# Altium PCB NIXIEClock_PCB_V3.2.PcbDoc (part 2 of 3)
Units mil, origin at the board's own origin, x right, y up, seen from the top; angles counter-clockwise.
Board outline 9842.52 x 2952.76 mil, 2 copper layers (Top Layer, Bottom Layer); 233 components, 344 nets, 1063 pads, 410 vias.
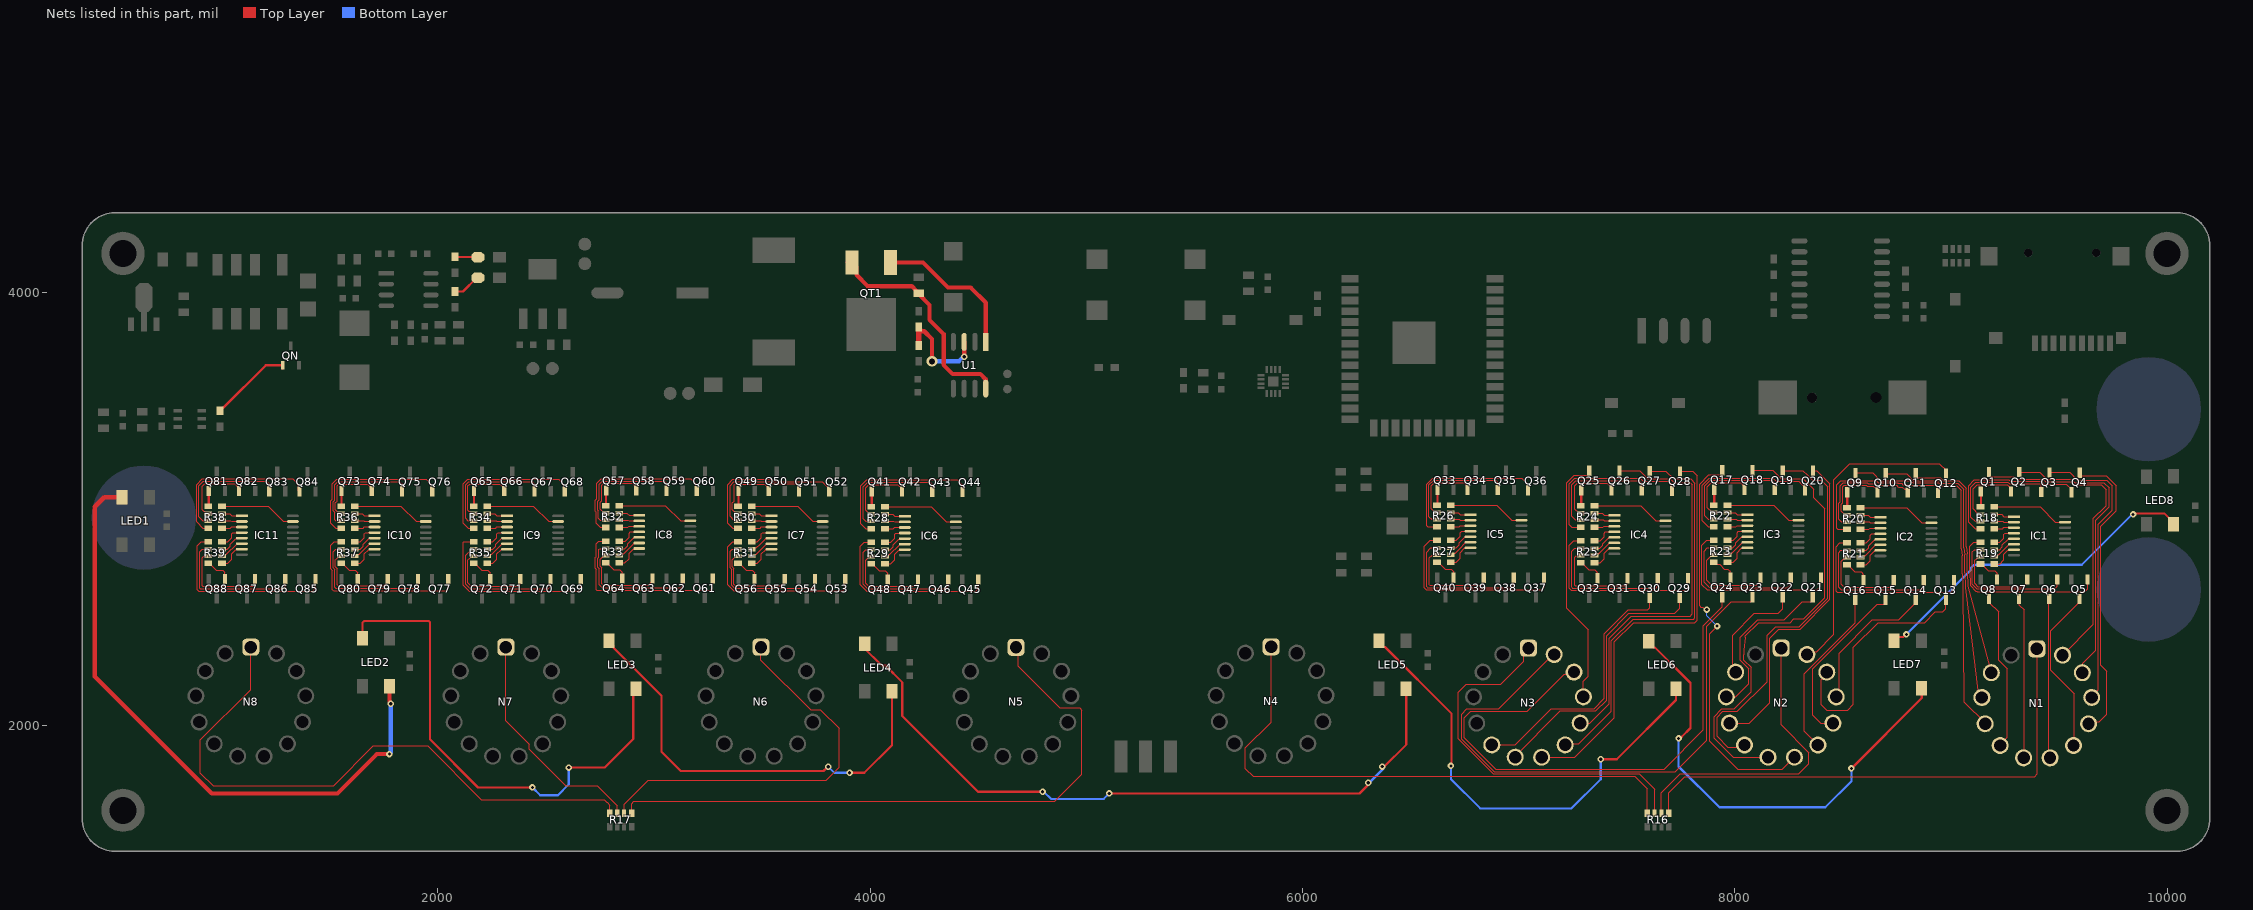
[diagram p2: the nets of this part, all layers, seen from the top]

## Via types
v1: diameter 30, hole 15, Top Layer to Bottom Layer, tented both sides, 238 vias
v2: diameter 19.68, hole 11.81, Top Layer to Bottom Layer, tented both sides, 157 vias
v3: diameter 50, hole 28, Top Layer to Bottom Layer, tented both sides, 10 vias
v4: diameter 30, hole 15, Top Layer to Bottom Layer, 3 vias
v5: diameter 70.87, hole 70.87, Top Layer to Bottom Layer, tented both sides, 1 vias
v6: diameter 62.99, hole 62.99, Top Layer to Bottom Layer, tented both sides, 1 vias

## Nets (pads, with @x,y where several pads share a name; then routed paths per layer and width w, separated by ;. In a path a pad name is that pad's centre, name@x,y a point inside that pad or via, vN(x,y) a via of type N, cw(c..) or ccw(c..) an arc to the next point about the centre after c; other vN are vias at no path point) (continued)
NetLED1_2: LED1.2 LED2.4 | length 2920
  Top Layer w20: LED1.2@539.48,3054.51 456.71,3054.51 412.86,3010.66 412.86,2224.92 953.88,1683.9 1535.6,1683.9 1718.07,1866.37 v1(1776.18,1866.37) ; LED2.4@1776.87,2187.96 1776.43,2187.52 1776.43,2107.81 1782,2102.24 v1(1782,2099.54)
  Bottom Layer w20: v1(1776.18,1866.37) 1776.18,1869.08 1782,1874.9 v1(1782,2099.54)
NetLED2_2: LED2.2 LED3.4 | length 2382.1
  Top Layer w10: LED2.2@1650.88,2408.43 1650.88,2473.55 1659.48,2482.15 1956.84,2482.15 1963.48,2475.5 1963.48,1934.48 2185.96,1712 v1(2438,1712) ; v1(2606,1804) 2772.15,1804 2904.02,1935.88 LED3.4@2904.02,2192.23
  Bottom Layer w10: v1(2438,1712) 2473.86,1676.14 2555.98,1676.14 2606,1726.16 v1(2606,1804)
NetLED3_2: LED3.2 LED4.4 | length 2038.2
  Top Layer w10: LED3.2@2791.2,2389.76 2811.79,2369.17 2811.79,2359.6 3035,2136.4 3035,1876.9 3124.14,1787.76 3783.95,1787.76 3804.25,1808.05 v1(3806.09,1808.05) ; v1(3904.61,1780) 3973.55,1780 4101.24,1907.69 LED4.4@4101.24,2156
  Bottom Layer w10: v1(3806.09,1808.05) 3834.14,1780 v1(3904.61,1780)
NetLED4_2: LED4.2 LED5.4 | length 3282.2
  Top Layer w10: LED4.2@3967.87,2361.22 4053.24,2275.84 4070.82,2275.84 4148.74,2197.92 4148.74,2042.06 4498.8,1692 v1(4798,1692) ; v1(5106,1684) 6264,1684 v1@6310,1730 ; v1@6375,1804.8 6480.35,1910.16 LED5.4@6480.35,2187.96
  Bottom Layer w10: v1(4798,1692) 4803.41,1692 4836.41,1659 5081,1659 v1(5106,1684) ; v1@6310,1730 6310,1734.9 6375,1799.9 v1@6375,1804.8
  other v1: 6304,1733.86 6369,1808.66
NetLED5_2: LED5.2 LED6.4 | length 2219.8
  Top Layer w10: LED5.2@6353.78,2389.79 6353.78,2381.92 6374.37,2361.33 6382.25,2361.33 6689.09,2054.49 v1@6689.09,1804.8 ; v1(7380,1842.25) 7453.83,1842.25 7727.96,2116.37 LED6.4@7727.96,2187.96
  Bottom Layer w10: v1(6687.04,1811.32) 6687.04,1750.12 6822.16,1615 7244.94,1615 7380,1750.06 v1(7380,1842.25)
NetLED6_2: LED6.2 LED7.4 | length 2201.8
  Top Layer w10: LED6.2@7601.97,2388.47 7601.97,2380.6 7622.56,2360.01 7630.44,2360.01 7795.59,2194.85 7795.59,1986.82 7755.1,1946.32 7752.85,1946.32 7745.47,1938.93 v1(7740.06,1938.93) ; v1(8540,1799.97) 8865.41,2125.39 LED7.4@8865.41,2187.96
  Bottom Layer w10: v1(7740.06,1938.93) 7740.06,1809.15 7929.21,1620 8419,1620 8540,1741 v1(8540,1799.97)
NetLED7_2: LED7.2 LED8.4 | length 1541.4
  Top Layer w10: LED7.2@8739.43,2408.43 8779.21,2408.43 8790.78,2420 v1(8794.31,2420) ; v1(9842.57,2975.11) 9846.12,2978.67 9988.75,2978.67 LED8.4@10024.53,2942.88
  Bottom Layer w10: v1(8794.31,2420) 9090,2715.69 9090,2725 9103.72,2738.72 9106.45,2741.45 9116.86,2741.97 9605.74,2741.97 9838.89,2975.11 v1(9842.57,2975.11)
NetLED_V5_2: LED_V5.2 Rled1.2 | length 131.3
  Top Layer w10: Rled1.2@2080,4006.5 2116.5,4006.5 2180,4070 LED_V5.2@2185,4070
NetLED_V12_2: LED_V12.2 Rled2.2 | length 105.6
  Top Layer w10: Rled2.2@2080.75,4165.75 LED_V12.2@2184.25,4165.75
  Top Layer w20: Rled2.2@2080,4166.5 Rled2.2@2080.75,4165.75 ; LED_V12.2@2184.25,4165.75 LED_V12.2@2185,4165
NetN1_1: N1.1 R16.5 | length 2427.8
  Top Layer w5: R16.5@7695.39,1581.5 7695.39,1687.5 7769.66,1761.77 9386.77,1761.77 9400,1775 N1.1@9400,2355.91
NetN2_1: N2.1 R16.6 | length 1431.3
  Top Layer w5: R16.6@7660.75,1581.5 7660.75,1688.51 7747.55,1775.31 8296.09,1775.31 8342.72,1821.93 8342.72,1873.6 8215,2001.32 N2.1@8215,2356.05
NetN3_1: N3.1 R16.7 | length 1755.2
  Top Layer w5: N3.1@7040,2356.19 7022.81,2339 7022.81,2295.63 6917.18,2190 6758.4,2190 6745.19,2176.79 6720,2151.6 6720,1936.47 6882.17,1774.31 7558.24,1774.31 7629.25,1703.3 R16.7@7629.25,1599.21
NetN4_1: N4.1 R16.8 | length 2634
  Top Layer w5: N4.1@5855,2362.76 5855,2014.06 5736.08,1895.14 5736.08,1798.92 5771.69,1763.31 7536.3,1763.31 7594.61,1705 R16.8@7594.61,1581.5
NetN5_1: N5.1 R17.5 | length 2951.3
  Top Layer w5: R17.5@2896.14,1592.99 2896.14,1637.52 2906.63,1648 4854,1648 4980,1774 4980,2070 4970,2080 4877.74,2080 4685,2272.74 4685,2349.98 N5.1@4675,2359.98
NetN6_1: N6.1 R17.6 | length 1839.7
  Top Layer w5: R17.6@2861.5,1592.99 2861.5,1633.64 2972.85,1745 3797.43,1745 3856.78,1804.35 3856.78,1985.12 3770.17,2071.73 3724.76,2071.73 3495,2301.49 N6.1@3495,2360.91
NetN7_1: N7.1 R17.7 | length 1067.2
  Top Layer w5: N7.1@2315,2360.91 2315,2020.93 2423.1,1912.83 2423.1,1888.36 2591.46,1720 2738.29,1720 2830,1628.29 R17.7@2830,1592.99
NetN8_1: N8.1 R17.8 | length 2823.8
  Top Layer w5: N8.1@1135,2361.05 1135,2164.79 902.03,1931.82 902.03,1778.01 960.04,1720 1517.63,1720 1701.61,1903.98 1953.48,1903.98 2202.03,1655.43 2769.86,1655.43 2782.61,1642.69 2782.96,1642.69 2795.35,1630.29 R17.8@2795.35,1592.99
NetQ1_1: Q1.1 R18.1 | length 71.7
  Top Layer w10: R18.1@9136.79,3009.76 9138.57,3011.55 Q1.1@9138.57,3080.71
NetQ2_1: Q2.1 R18.2 | length 342
  Top Layer w5: R18.2@9136.79,2975.11 9128.91,2975.11 9115.56,2988.47 9110.57,2993.44 9103.72,3000.3 9103.72,3094.66 9122.48,3113.42 9259.48,3113.42 9278.42,3094.49 Q2.1@9278.42,3080.71
NetQ3_1: Q3.1 R18.3 | length 564.8
  Top Layer w5: R18.3@9136.79,2943.62 9111.57,2943.62 9092.72,2962.47 9092.72,3101.63 9115.51,3124.42 9264.04,3124.42 9271.88,3116.58 9415.33,3116.58 9418.26,3113.66 Q3.1@9418.26,3079.33
NetQ4_1: Q4.1 R18.4 | length 756.3
  Top Layer w5: R18.4@9136.79,2908.97 9111.57,2908.97 9081.72,2938.82 9081.72,3108.09 9109.06,3135.42 9268.59,3135.42 9276.43,3127.58 9419.89,3127.58 9432.27,3115.21 9534.63,3115.21 9558.1,3091.73 Q4.1@9558.1,3077.95
NetQ5_1: Q5.1 R19.1 | length 840.9
  Top Layer w5: R19.1@9136.79,2846.37 9106.28,2846.37 9088.03,2828.12 9086.6,2723.65 9086.6,2719.51 9086.6,2715.37 9088.57,2646.67 9115.94,2619.3 9120.18,2619.3 9121.06,2618.42 9619.98,2618.42 9632.06,2630.51 Q5.1@9632.06,2673.42
NetQ6_1: Q6.1 R19.2 | length 629.4
  Top Layer w5: R19.2@9136.79,2811.73 9109.75,2811.73 9099.57,2801.55 9099.57,2651.23 9120.5,2630.3 9124.74,2630.3 9480.45,2630.3 9492.45,2642.3 Q6.1@9492.45,2673.42
NetQ7_1: Q7.1 R19.3 | length 409.6
  Top Layer w5: R19.3@9136.79,2780.23 9128.91,2780.23 9119.07,2770.39 9110.57,2761.9 9110.57,2655.79 9125.05,2641.3 9129.3,2641.3 9334.49,2641.3 9352.83,2659.64 Q7.1@9352.83,2673.42
NetQ8_1: Q8.1 R19.4 | length 123.3
  Top Layer w5: R19.4@9136.79,2745.58 9141.71,2745.58 9173.87,2713.42 9202.12,2713.42 9213.22,2702.32 Q8.1@9213.22,2673.42
NetQ9_1: Q9.1 R20.1 | length 71.7
  Top Layer w10: R20.1@8518.98,3006.34 8520.76,3008.13 Q9.1@8520.76,3077.29
NetQ10_1: Q10.1 R20.2 | length 333.8
  Top Layer w5: R20.2@8518.98,2971.69 8511.1,2971.69 8497.75,2985.04 8492.76,2990.02 8492.76,3022.65 8500.08,3029.97 8500.08,3102.09 8507.4,3109.41 8608.93,3109.41 8612.41,3105.93 8641.44,3105.93 8648.97,3098.41 8653.27,3098.41 8660.61,3091.06 Q10.1@8660.61,3077.29
NetQ11_1: Q11.1 R20.3 | length 539.3
  Top Layer w5: R20.3@8518.98,2940.2 8493.76,2940.2 8481.85,2952.11 8481.85,2985.38 8481.76,2985.47 8481.76,3027.21 8489.08,3034.53 8489.08,3106.64 8502.85,3120.41 8613.49,3120.41 8616.97,3116.93 8651.55,3116.93 8659.07,3109.41 8748.78,3109.41 8754.03,3104.15 8755,3104.15 8758.24,3100.91 8775.45,3100.91 8786.04,3090.32 8793.11,3090.32 8800.45,3082.98 Q11.1@8800.45,3075.91
NetQ12_1: Q12.1 R20.4 | length 768.2
  Top Layer w5: R20.4@8518.98,2905.55 8476.7,2905.55 8470.85,2911.41 8470.85,2980.82 8470.76,2980.91 8470.76,3031.77 8470.85,3031.85 8470.85,3111.6 8489.25,3130 8496.88,3130 8498.29,3131.41 8618.04,3131.41 8619.45,3130 8654.03,3130 8663.62,3120.41 8753.33,3120.41 8755.01,3118.73 8771.77,3118.73 8777.71,3112.78 8814.38,3112.78 8817.75,3109.41 8933.08,3109.41 8936,3106.48 8936,3078.82 Q12.1@8940.3,3074.53
NetQ13_1: Q13.1 R21.1 | length 857.3
  Top Layer w5: R21.1@8518.98,2842.95 8486.62,2842.95 8469.85,2826.17 8469.85,2618.93 8473.78,2615 9002.17,2615 9014.25,2627.08 Q13.1@9014.25,2670
NetQ14_1: Q14.1 R21.2 | length 637.8
  Top Layer w5: R21.2@8518.98,2808.3 8490.69,2808.3 8480.85,2798.46 8480.85,2637.93 8491.9,2626.88 8863.59,2626.88 8874.64,2637.93 Q14.1@8874.64,2670
NetQ15_1: Q15.1 R21.3 | length 409.6
  Top Layer w5: R21.3@8518.98,2776.81 8511.63,2769.46 8503.75,2769.46 8492.76,2758.48 8492.76,2652.36 8507.24,2637.88 8716.68,2637.88 8735.02,2656.22 Q15.1@8735.02,2670
NetQ16_1: Q16.1 R21.4 | length 123.3
  Top Layer w5: R21.4@8518.98,2742.16 8523.9,2742.16 8556.06,2710 8584.31,2710 8595.41,2698.9 Q16.1@8595.41,2670
NetQ17_1: Q17.1 R22.1 | length 71.7
  Top Layer w10: R22.1@7903.33,3018.42 7905.12,3020.21 Q17.1@7905.12,3089.37
NetQ18_1: Q18.1 R22.2 | length 339.1
  Top Layer w5: R22.2@7903.33,2983.78 7895.46,2983.78 7883.61,2995.63 7881.47,2995.63 7872.25,3004.84 7872.25,3101.99 7891.75,3121.49 8026.62,3121.49 8044.96,3103.15 Q18.1@8044.96,3089.37
NetQ19_1: Q19.1 R22.3 | length 557.4
  Top Layer w5: R22.3@7903.33,2952.28 7878.11,2952.28 7861.25,2969.14 7861.25,3106.55 7887.2,3132.49 8171.42,3132.49 8184.8,3119.11 Q19.1@8184.8,3087.99
NetQ20_1: Q20.1 R22.4 | length 749.7
  Top Layer w5: R22.4@7903.33,2917.63 7878.11,2917.63 7850.25,2945.49 7850.25,3111.1 7882.64,3143.49 8175.98,3143.49 8191.14,3128.33 8296.71,3128.33 8324.65,3100.39 Q20.1@8324.65,3086.61
NetQ21_1: Q21.1 R23.1 | length 854.8
  Top Layer w5: R23.1@7903.33,2855.03 7870.98,2855.03 7848,2832.06 7848,2649.67 7872.25,2625.41 8381.92,2625.41 8398.61,2642.1 Q21.1@8398.61,2682.08
NetQ22_1: Q22.1 R23.2 | length 641.1
  Top Layer w5: R23.2@7903.33,2820.39 7873.9,2820.39 7859,2805.48 7859,2662 7884.59,2636.41 8243.31,2636.41 8258.99,2652.1 Q22.1@8258.99,2682.08
NetQ23_1: Q23.1 R23.3 | length 418.4
  Top Layer w5: R23.3@7903.33,2788.89 7895.46,2788.89 7882.1,2775.54 7877.11,2770.56 7870,2763.43 7870,2670.22 7892.8,2647.41 8098.49,2647.41 8119.38,2668.3 Q23.1@8119.38,2682.08
NetQ24_1: Q24.1 R23.4 | length 118.3
  Top Layer w5: R23.4@7908.25,2754.24 7918.55,2743.95 7929.59,2743.95 7951.46,2722.08 7968.66,2722.08 7979.76,2710.98 Q24.1@7979.77,2682.08
NetQ25_1: Q25.1 R24.1 | length 71.7
  Top Layer w10: R24.1@7288.08,3015.66 7289.86,3017.45 Q25.1@7289.86,3086.61
NetQ26_1: Q26.1 R24.2 | length 341.4
  Top Layer w5: R24.2@7288.08,2981.02 7280.2,2981.02 7268.35,2992.87 7266.22,2992.87 7259.95,2999.14 7259.95,3108.53 7271.34,3119.92 7410.18,3119.92 7429.71,3100.39 Q26.1@7429.71,3086.61
NetQ27_1: Q27.1 R24.3 | length 566.9
  Top Layer w5: R24.3@7288.08,2949.52 7261.91,2949.52 7245.34,2966.1 7245.34,3111.79 7264.47,3130.92 7558.86,3130.92 7569.55,3120.23 Q27.1@7569.55,3085.23
NetQ28_1: Q28.1 R24.4 | length 774.7
  Top Layer w5: R24.4@7288.08,2914.88 7245.8,2914.88 7234.34,2926.34 7234.34,3116.35 7259.91,3141.92 7563.42,3141.92 7577.01,3128.33 7693.18,3128.33 7705.1,3116.4 7705.1,3088.14 Q28.1@7709.39,3083.86
NetQ29_1: Q29.1 R25.1 | length 861.4
  Top Layer w5: R25.1@7288.08,2852.27 7255.72,2852.27 7234.8,2831.36 7234.8,2632.7 7244.18,2623.33 7770.27,2623.33 7783.35,2636.41 Q29.1@7783.35,2679.33
NetQ30_1: Q30.1 R25.2 | length 652.7
  Top Layer w5: R25.2@7288.08,2817.63 7259.79,2817.63 7245.8,2803.65 7245.8,2637.26 7248.73,2634.33 7633.74,2634.33 7643.74,2644.33 Q30.1@7643.74,2679.33
NetQ31_1: Q31.1 R25.3 | length 435.4
  Top Layer w5: R25.3@7288.08,2786.13 7285.68,2783.73 7265.79,2783.73 7259.95,2777.89 7259.95,2648.26 7262.87,2645.33 7495.28,2645.33 7504.12,2654.17 Q31.1@7504.12,2679.33
NetQ32_1: Q32.1 R25.4 | length 123.3
  Top Layer w5: R25.4@7288.08,2751.49 7293,2751.49 7325.16,2719.33 7353.41,2719.33 7364.51,2708.23 Q32.1@7364.51,2679.33
NetQ33_1: Q33.1 R26.1 | length 71.7
  Top Layer w10: R26.1@6622.49,3018.18 6624.28,3019.97 Q33.1@6624.28,3089.12
NetQ34_1: Q34.1 R26.2 | length 333.8
  Top Layer w5: R26.2@6622.49,2983.53 6614.62,2983.53 6601.27,2996.88 6596.28,3001.86 6596.28,3106.61 6610.92,3121.25 6745.78,3121.25 6764.13,3102.9 Q34.1@6764.12,3089.12
NetQ35_1: Q35.1 R26.3 | length 555.7
  Top Layer w5: R26.3@6622.49,2952.04 6597.28,2952.04 6585.28,2964.04 6585.28,3111.16 6606.36,3132.25 6894.47,3132.25 6903.97,3122.75 Q35.1@6903.97,3087.75
NetQ36_1: Q36.1 R26.4 | length 764.1
  Top Layer w5: R26.4@6622.49,2917.39 6580.22,2917.39 6574.28,2923.33 6574.28,3115.72 6601.81,3143.25 7015.19,3143.25 7039.52,3118.91 7039.52,3090.66 Q36.1@7043.81,3086.37
NetQ37_1: Q37.1 R27.1 | length 869.8
  Top Layer w5: R27.1@6622.49,2854.79 6590.14,2854.79 6563.28,2827.93 6563.28,2635.21 6572.65,2625.84 7104.69,2625.84 7117.77,2638.92 Q37.1@7117.77,2681.84
NetQ38_1: Q38.1 R27.2 | length 661.2
  Top Layer w5: R27.2@6622.49,2820.14 6594.21,2820.14 6574.28,2800.22 6574.28,2639.77 6577.21,2636.84 6968.16,2636.84 6978.16,2646.84 Q38.1@6978.16,2681.84
NetQ39_1: Q39.1 R27.3 | length 444.9
  Top Layer w5: R27.3@6622.49,2788.65 6620.09,2786.25 6600.21,2786.25 6587.62,2773.66 6587.62,2650.77 6590.55,2647.84 6829.7,2647.84 6838.54,2656.68 Q39.1@6838.54,2681.84
NetQ40_1: Q40.1 R27.4 | length 123.3
  Top Layer w5: R27.4@6622.49,2754 6627.42,2754 6659.58,2721.84 6687.83,2721.84 6698.93,2710.74 Q40.1@6698.93,2681.84
NetQ41_1: Q41.1 R28.1 | length 71.7
  Top Layer w10: R28.1@4005.48,3010.25 4007.27,3012.04 Q41.1@4007.27,3081.2
NetQ42_1: Q42.1 R28.2 | length 333.8
  Top Layer w5: R28.2@4005.48,2975.61 3998.14,2982.95 3990.25,2982.95 3979.27,2993.94 3979.27,3098.68 3993.91,3113.32 4128.77,3113.32 4147.11,3094.98 Q42.1@4147.11,3081.2
NetQ43_1: Q43.1 R28.3 | length 556.2
  Top Layer w5: R28.3@4005.48,2944.11 3979.32,2944.11 3968.27,2955.17 3968.27,3103.24 3989.35,3124.32 4277.46,3124.32 4286.96,3114.82 Q43.1@4286.96,3079.82
NetQ44_1: Q44.1 R28.4 | length 747.3
  Top Layer w5: R28.4@4005.48,2909.47 3980.27,2909.47 3957.27,2932.47 3957.27,3107.79 3984.79,3135.32 4403.35,3135.32 4426.8,3111.87 Q44.1@4426.8,3088.29
NetQ45_1: Q45.1 R29.1 | length 844.3
  Top Layer w5: R29.1@4005.48,2846.86 3973.13,2846.86 3954.12,2827.86 3954.12,2650.31 3985.52,2618.92 4488.67,2618.92 4500.76,2631 Q45.1@4500.76,2673.92
NetQ46_1: Q46.1 R29.2 | length 628.3
  Top Layer w5: R29.2@4005.48,2812.22 3980.28,2812.22 3968.27,2800.2 3968.27,2651.72 3989.19,2630.79 4349.14,2630.79 4361.14,2642.79 Q46.1@4361.15,2673.92
NetQ47_1: Q47.1 R29.3 | length 409.6
  Top Layer w5: R29.3@4005.48,2780.72 3997.61,2780.72 3984.26,2767.37 3979.27,2762.39 3979.27,2656.28 3993.75,2641.79 4203.19,2641.79 4221.53,2660.13 Q47.1@4221.53,2673.92
NetQ48_1: Q48.1 R29.4 | length 123.3
  Top Layer w5: R29.4@4005.48,2746.08 4010.4,2746.08 4042.57,2713.92 4070.82,2713.92 4081.92,2702.82 Q48.1@4081.92,2673.92
NetQ49_1: Q49.1 R30.1 | length 71.7
  Top Layer w10: R30.1@3389.06,3012.39 3390.85,3014.17 Q49.1@3390.85,3083.33
NetQ50_1: Q50.1 R30.2 | length 335.8
  Top Layer w5: 3367.82,2991.09 3362.84,2996.07 3362.84,3028.7 3371.17,3037.03 3371.17,3112.53 3374.1,3115.46 3512.35,3115.46 3530.69,3097.11 Q50.1@3530.69,3083.33 ; 3367.83,2991.09 3381.18,2977.74 R30.2@3389.06,2977.74
NetQ51_1: Q51.1 R30.3 | length 551.1
  Top Layer w5: R30.3@3389.06,2946.24 3384.61,2950.7 3366.77,2950.7 3351.84,2965.63 3351.84,3108.76 3369.54,3126.46 3538.37,3126.46 3548.76,3116.07 3667.6,3116.07 3670.53,3113.14 Q51.1@3670.53,3081.95
NetQ52_1: Q52.1 R30.4 | length 747.6
  Top Layer w5: R30.4@3389.06,2911.6 3363.84,2911.6 3340.84,2934.6 3340.84,3113.31 3364.98,3137.46 3542.93,3137.46 3553.31,3127.07 3777.66,3127.07 3810.38,3094.36 Q52.1@3810.38,3080.58
NetQ53_1: Q53.1 R31.1 | length 837.6
  Top Layer w5: R31.1@3389.06,2849 3363.84,2849 3340.84,2826 3340.84,2649.3 3369.09,2621.05 3872.25,2621.05 3884.33,2633.13 Q53.1@3884.33,2676.05
NetQ54_1: Q54.1 R31.2 | length 632.2
  Top Layer w5: R31.2@3389.06,2814.35 3361.07,2814.35 3351.84,2805.12 3351.84,2727.34 3359.08,2720.1 3359.08,2646.61 3372.77,2632.93 3736.6,2632.93 3744.72,2641.05 Q54.1@3744.72,2676.05
NetQ55_1: Q55.1 R31.3 | length 409.6
  Top Layer w5: 3367.82,2769.51 3362.84,2764.53 3362.84,2731.89 3370.08,2724.65 3370.08,2651.17 3377.33,2643.93 3586.76,2643.93 3605.11,2662.27 Q55.1@3605.11,2676.05 ; 3367.84,2769.51 3381.18,2782.85 R31.3@3389.06,2782.85
NetQ56_1: Q56.1 R31.4 | length 123.3
  Top Layer w5: R31.4@3389.06,2748.21 3393.98,2748.21 3426.14,2716.05 3454.39,2716.05 3465.49,2704.95 Q56.1@3465.49,2676.05
NetQ57_1: Q57.1 R32.1 | length 71.7
  Top Layer w10: R32.1@2776.96,3015.31 2778.75,3017.1 Q57.1@2778.75,3086.26
NetQ58_1: Q58.1 R32.2 | length 333.8
  Top Layer w5: 2755.72,2994.02 2750.74,2999 2750.74,3031.63 2758.06,3038.95 2758.06,3111.06 2765.38,3118.38 2900.25,3118.38 2918.59,3100.04 Q58.1@2918.59,3086.26 ; 2755.73,2994.02 2769.08,2980.67 R32.2@2776.96,2980.67
NetQ59_1: Q59.1 R32.3 | length 555.7
  Top Layer w5: R32.3@2776.96,2949.17 2751.74,2949.17 2743,2957.91 2743,2991.18 2739.74,2994.44 2739.74,3036.19 2747.06,3043.51 2747.06,3115.62 2760.83,3129.38 3048.93,3129.38 3058.43,3119.88 Q59.1@3058.43,3084.88
NetQ60_1: Q60.1 R32.4 | length 754.1
  Top Layer w5: R32.4@2776.96,2914.53 2751.74,2914.53 2732,2934.27 2732,2986.63 2728.74,2989.88 2728.74,3040.74 2736.06,3048.06 2736.06,3120.18 2756.27,3140.38 3169.65,3140.38 3193.99,3116.05 3193.99,3087.79 Q60.1@3198.28,3083.5
NetQ61_1: Q61.1 R33.1 | length 854.7
  Top Layer w5: R33.1@2776.96,2851.92 2744.6,2851.92 2732,2839.32 2732,2779.83 2728.74,2776.57 2728.74,2725.71 2732,2722.45 2732,2626.9 2734.93,2623.98 3260.15,2623.98 3272.23,2636.06 Q61.1@3272.23,2678.98
NetQ62_1: Q62.1 R33.2 | length 632.4
  Top Layer w5: R33.2@2776.96,2817.28 2748.67,2817.28 2745.07,2813.68 2745.07,2777.34 2739.74,2772.01 2739.74,2730.27 2746.98,2723.02 2746.98,2649.54 2760.67,2635.85 3124.5,2635.85 3132.62,2643.98 Q62.1@3132.62,2678.98
NetQ63_1: Q63.1 R33.3 | length 409.6
  Top Layer w5: 2755.72,2772.43 2750.74,2767.45 2750.74,2734.82 2757.98,2727.58 2757.98,2654.1 2765.22,2646.85 2974.66,2646.85 2993.01,2665.2 Q63.1@2993.01,2678.98 ; 2755.73,2772.43 2769.08,2785.78 R33.3@2776.96,2785.78
NetQ64_1: Q64.1 R33.4 | length 123.3
  Top Layer w5: R33.4@2776.96,2751.14 2781.88,2751.14 2814.04,2718.98 2842.29,2718.98 2853.39,2707.88 Q64.1@2853.39,2678.98
NetQ65_1: Q65.1 R34.1 | length 71.7
  Top Layer w10: R34.1@2165.64,3012.38 2167.43,3014.17 Q65.1@2167.43,3083.33
NetQ66_1: Q66.1 R34.2 | length 338.8
  Top Layer w5: R34.2@2165.64,2977.74 2157.77,2977.74 2145.92,2989.59 2143.78,2989.59 2139.43,2993.95 2139.43,3028.7 2139.51,3028.79 2139.51,3107.25 2146.87,3114.6 2153.22,3114.6 2154.07,3115.45 2255.6,3115.45 2256.45,3114.6 2289.78,3114.6 2307.27,3097.11 Q66.1@2307.27,3083.33
NetQ67_1: Q67.1 R34.3 | length 559.9
  Top Layer w5: R34.3@2165.64,2946.24 2139.48,2946.24 2128.51,2957.21 2128.51,2991.43 2128.43,2991.51 2128.43,3033.26 2128.51,3033.34 2128.51,3111.8 2142.31,3125.6 2148.66,3125.6 2149.51,3126.45 2260.15,3126.45 2261,3125.6 2438.47,3125.6 2447.12,3116.95 Q67.1@2447.12,3081.95
NetQ68_1: Q68.1 R34.4 | length 757.8
  Top Layer w5: R34.4@2165.64,2911.6 2140.43,2911.6 2117.43,2934.6 2117.43,3116.27 2137.76,3136.6 2144.1,3136.6 2144.95,3137.45 2264.71,3137.45 2265.56,3136.6 2559.18,3136.6 2582.67,3113.12 2582.67,3084.86 Q68.1@2586.96,3080.57
NetQ69_1: Q69.1 R35.1 | length 850.2
  Top Layer w5: R35.1@2165.64,2848.99 2121.04,2848.99 2118.78,2846.73 2117.43,2842.92 2117.43,2647.99 2145.37,2620.05 2647.83,2620.05 2660.92,2633.13 Q69.1@2660.92,2676.05
NetQ70_1: Q70.1 R35.2 | length 622.9
  Top Layer w5: R35.2@2165.64,2814.35 2157.77,2814.35 2144.62,2801.19 2144.41,2801.19 2128.43,2785.22 2128.43,2652.55 2149.93,2631.05 2511.3,2631.05 2521.3,2641.05 Q70.1@2521.3,2676.05
NetQ71_1: Q71.1 R35.3 | length 417.8
  Top Layer w5: R35.3@2165.64,2782.85 2157.77,2782.85 2144.42,2769.5 2139.43,2764.52 2139.43,2658.41 2155.79,2642.05 2372.85,2642.05 2381.69,2650.89 Q71.1@2381.69,2676.05
NetQ72_1: Q72.1 R35.4 | length 123.3
  Top Layer w5: R35.4@2165.64,2748.21 2170.56,2748.21 2202.73,2716.05 2230.98,2716.05 2242.08,2704.95 Q72.1@2242.08,2676.05